# Altium PCB 主机.PcbDoc
Units mil, origin at the board's own origin, x right, y up, seen from the top; angles counter-clockwise.
Board outline 6000 x 4000 mil, 2 copper layers (Top Layer, Bottom Layer); 24 components, 47 nets, 157 pads, 0 vias.
Unrouted connection lines stored in the file: 2.
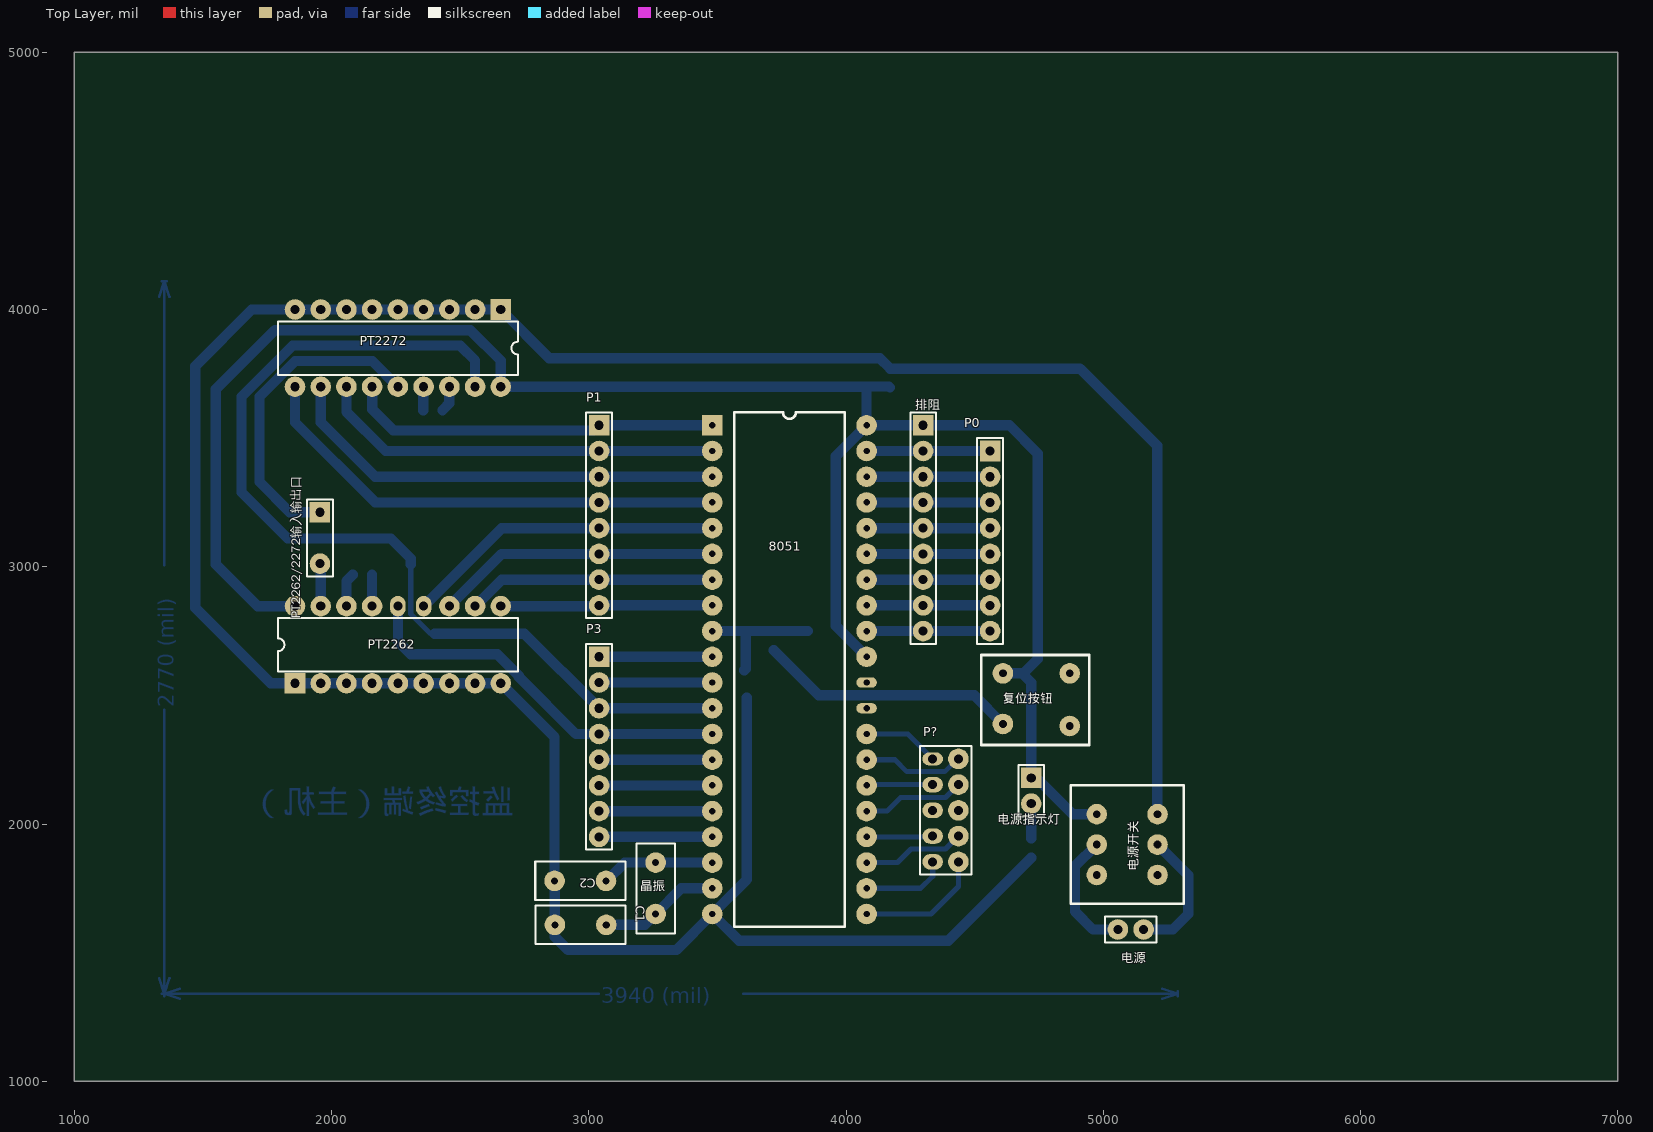
[diagram p0: Top Layer view]
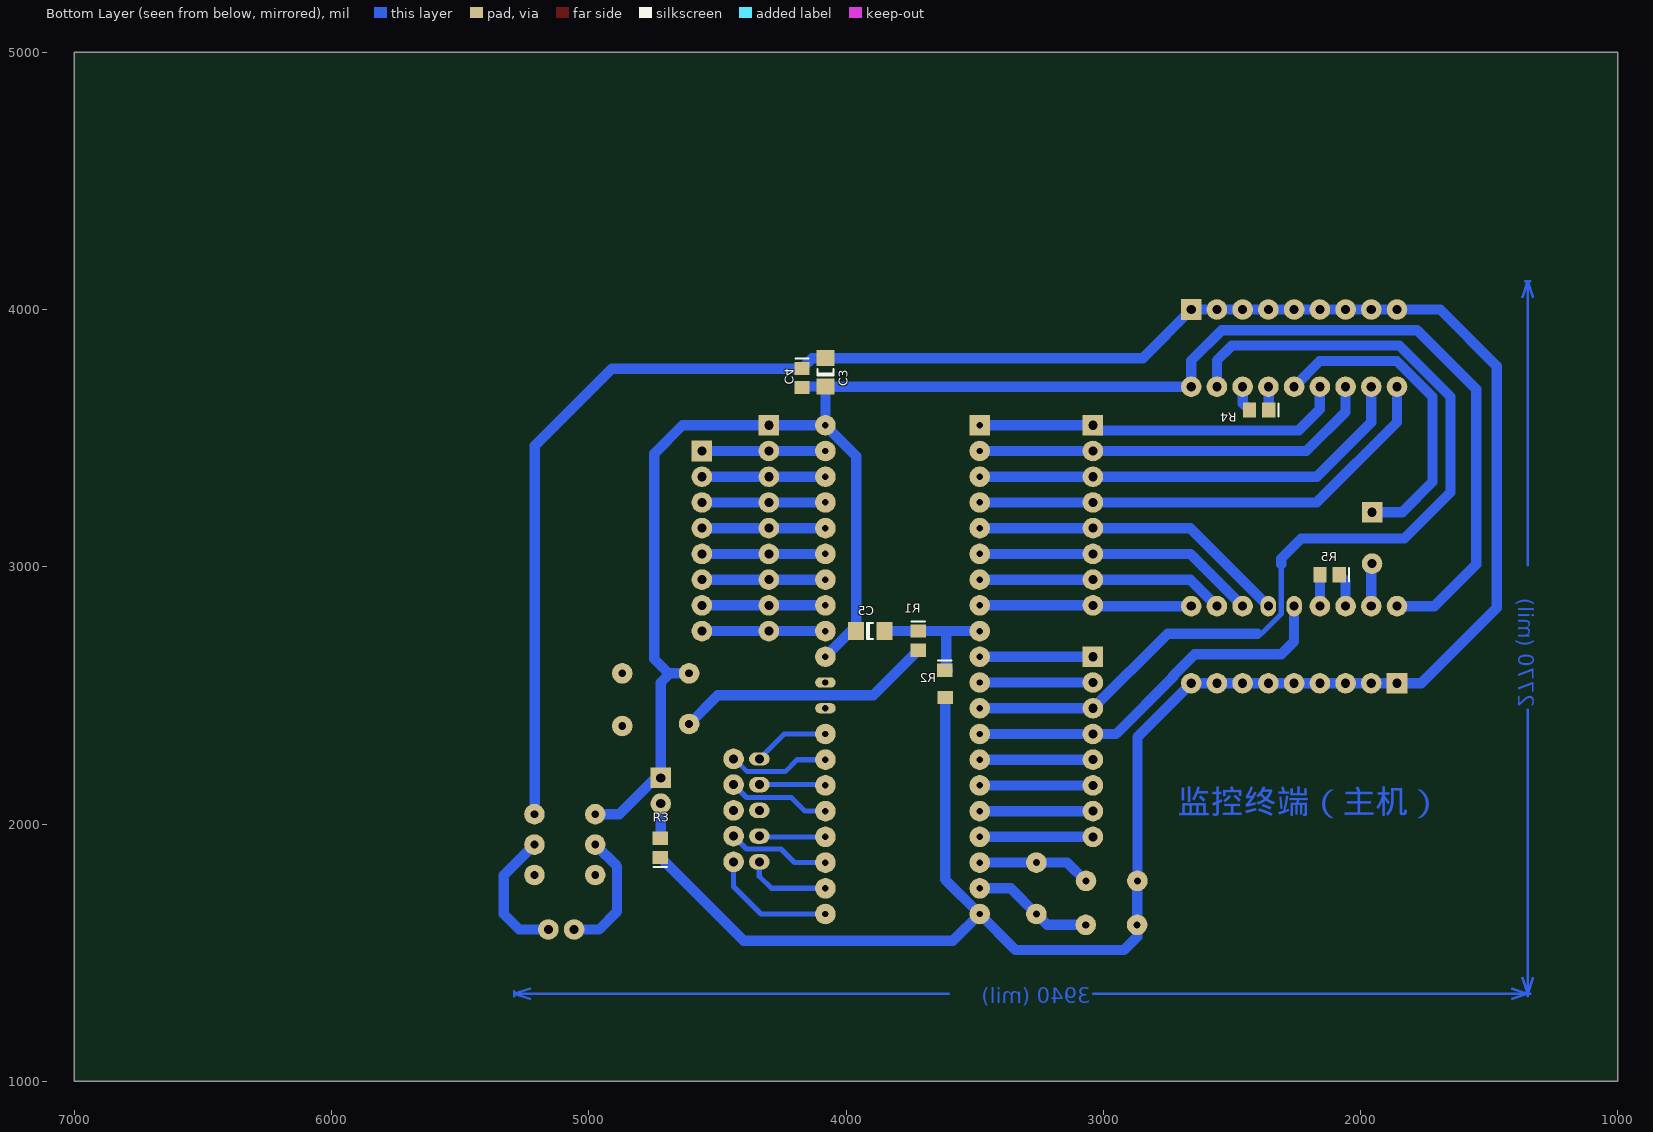
[diagram p1: Bottom Layer view, seen from below]

## Layer stack, top to bottom
Top Layer: signal copper 1.4
Dielectric: dielectric 12.6, FR-4, Dk 4.8
Bottom Layer: signal copper 1.4

## Board outline
1000,1000 7000,1000 7000,5000 1000,5000

## Design rules (kind name [scope] priority, off if disabled: settings)
Clearance [All] p1: gap=10
PolygonConnect [All] p1: connectstyle=Relief reliefconductorwidth=10 reliefentries=4 polygonreliefangle="90 Angle"
RoutingVias [All] p1: holewidth=28 width=50 viastyle="Through Hole" minholewidth=28 minwidth=50 maxholewidth=28 maxwidth=50
SilkToSilkClearance [All] p1 off: silktosilkclearance=10
SilkscreenOverComponentPads [All] p1 off: minsilkscreentomaskgap=10
SolderMaskExpansion [All] p1: expansion=4
TestPointUsage [All] p1: valid=0 allowmultiple=FALSE
Testpoint [All] p1: side=15 testpointundercomponent=TRUE minsize=40 maxsize=100 preferedsize=60 minholesize=0 maxholesize=40 preferedholesize=32 testpointgrid=1 style=1023 order=0123456789
Width [All] p1: maxlimit=50 minlimit=20 preferedwidth=20
22 further rules are at their usual default settings.

## Components (designator, comment, footprint, x,y, rotation, side; value= is the part's Value field where it differs from the comment)
8051 "8051" DIP-40 3480,3550 r0 top locked
C1 "Cap" RAD-0.2 2968,1608 r0 top
C2 "Cap" rad-0.2 2967,1779 r0 top
C3 "Cap Pol1" C1206 4079.88,3756 r90 bottom
C4 "Cap" C0805#1 4171,3734 r270 bottom
C5 "Cap Pol1" C1206 3906,2750 r180 bottom
P0 "Header 8" HDR1X8 4560,3450 r270 top
P1 "Header 8" HDR1X8 3040,3550 r270 top
P3 "Header 8" HDR1X8 3040,2650 r270 top
P? "Header 5X2" HDR2X5 4437,1853 r90 top
PT2262 "2262" DIP-18#1 2258,2697 r0 top
PT2262/2272输入输出口 "" HDR1X3 1955,3212 r270 top
PT2272 "2272" DIP-18#2 2258,3850 r180 top
R1 "Res2" C0805#1 3719,2713 r270 bottom
R2 "Res2" C0805#2 3616,2560 r270 bottom
R3 "Res2" C0805#1 4722,1907 r90 bottom
R4 "Res2" C0805#1 2394,3609 r0 bottom
R5 "Res2" C0805#1 2120,2969 r0 bottom
复位按钮 "按钮" 按钮 4736,2507 r90 top
排阻 "Header 9" HDR1X9 4300,3550 r270 top
晶振 "XTAL" RAD-0.2 3260,1750 r90 top
电源 "传感器接口" HDR1X2#1 5057,1590 r0 top
电源开关 "开关" 开关 5093,1920 r0 top
电源指示灯 "LED0" HDR1X2#2 4720,2179 r270 top

## Footprints (in the part's own frame and the unit in brackets; to place one, negate y for a bottom-side part, rotate by r counter-clockwise, add the part's x,y. Pads: shape width x height; smd on the part's side, far side on the other; paste and mask are expansions set on the pad)
C0805#1 [mm] "Chip Capacitor; Body 2.0 x 1.2 mm (LxW typ)"
  rect 1.3x1.5 smd: 1(-0.95,0) 2(0.95,0)
  silkscreen extent -1.9,-0.65 -1.9,0.65
C0805#2 [mm] "Chip Capacitor; Body 2.0 x 1.2 mm (LxW typ)"
  rect 1.3x1.5 smd: 1(-0.95,0) 2(1.727,0.051)
  silkscreen extent -1.9,-0.65 -1.9,0.65
C1206 [mm] "Chip Capacitor; Body 3.2 x 1.6 mm (LxW typ)"
  rect 1.6x1.8 smd: 1(-1.4,0) 2(1.4,0)
  silkscreen extent -0.3,-0.8 0.3,0.8
DIP-18#1 [mil] "DIP; 18 Leads; Row Spacing 7.62 mm; Pitch 2.54 mm"
  rect 80x80 hole 35.43: 1(-400,-150)
  round 80 hole 35.43: 2(-300,-150) 3(-200,-150) 4(-100,-150) 5(0,-150) 6(100,-150) 7(200,-150) 8(300,-150) 9(400,-150) 10(400,150) 11(300,150) 12(200,150) 15(-100,150) 16(-200,150) 17(-300,150) 18(-400,150)
  oval 60x80 hole 35.43: 13(100,150) 14(0,150)
  silkscreen extent -467,-104 467,104
DIP-18#2 [mil] "DIP; 18 Leads; Row Spacing 7.62 mm; Pitch 2.54 mm"
  rect 80x80 hole 35.43: 1(-400,-150)
  round 80 hole 35.43: 2(-300,-150) 3(-200,-150) 4(-100,-150) 5(0,-150) 6(100,-150) 7(200,-150) 8(300,-150) 9(400,-150) 10(400,150) 11(300,150) 12(200,150) 13(100,150) 14(0,150) 15(-100,150) 16(-200,150) 17(-300,150) 18(-400,150)
  silkscreen extent -467,-104 467,104
DIP-40 [mil]
  rect 80x80 hole 25: 1(0,0)
  round 80 hole 25: 2(0,-100) 3(0,-200) 4(0,-300) 5(0,-400) 6(0,-500) 7(0,-600) 8(0,-700) 9(0,-800) 10(0,-900) 11(0,-1000) 12(0,-1100) 13(0,-1200) 14(0,-1300) 15(0,-1400) 16(0,-1500) 17(0,-1600) 18(0,-1700) 19(0,-1800) 20(0,-1900) 21(600,-1900) 22(600,-1800) 23(600,-1700) 24(600,-1600) 25(600,-1500) 26(600,-1400) 27(600,-1300) 28(600,-1200) 31(600,-900) 32(600,-800) 33(600,-700) 34(600,-600) 35(600,-500) 36(600,-400) 37(600,-300) 38(600,-200) 39(600,-100) 40(600,0)
  oval 80x40 hole 25: 29(600,-1100) 30(600,-1000)
  silkscreen extent 85,-1950 515,50
HDR1X2#1 [mil] "Connector; Header; 2 Position"
  round 80 hole 35.43: 1(0,0) 2(100,0)
  silkscreen extent -50,-50 150,50
HDR1X2#2 [mil] "Connector; Header; 2 Position"
  rect 80x80 hole 35.43: 1(0,0)
  round 80 hole 35.43: 2(100,0)
  silkscreen extent -50,-50 150,50
HDR1X3 [mil] "Connector; Header; 3 Position"
  rect 80x80 hole 35.43: 1(0,0)
  round 80 hole 35.43: 3(200,0)
  silkscreen extent -50,-50 250,50
HDR1X8 [mil] "Connector; Header; 8 Position"
  rect 80x80 hole 35.43: 1(0,0)
  round 80 hole 35.43: 2(100,0) 3(200,0) 4(300,0) 5(400,0) 6(500,0) 7(600,0) 8(700,0)
  silkscreen extent -50,-50 750,50
HDR1X9 [mil] "Connector; Header; 9 Position"
  rect 80x80 hole 35.43: 1(0,0)
  round 80 hole 35.43: 2(100,0) 3(200,0) 4(300,0) 5(400,0) 6(500,0) 7(600,0) 8(700,0) 9(800,0)
  silkscreen extent -50,-50 850,50
HDR2X5 [mil] "Connector; Header; 5x2 Position"
  round 80 hole 35.43: 1(0,0) 3(100,0) 5(200,0) 7(300,0) 9(400,0)
  oval 60x80 hole 35.43: 2(0,100) 4(100,100) 6(200,100) 8(300,100)
  oval 50x80 hole 35.43: 10(400,100)
  silkscreen extent -50,-50 450,150
RAD-0.2 [mil] "Jumper Wire; 2 Leads"
  round 80 hole 27.56: 1(-100,0) 2(100,0)
  silkscreen extent -175,-75 175,75
rad-0.2 [mil] "Jumper Wire; 2 Leads"
  round 80 hole 27.56: 1(-100,0) 2(100,0)
  silkscreen extent -175,-75 175,75
开关 [mil]
  round 80 hole 30: 1(-118.11,118.11) 2(118.11,118.11) 3(-118.11,0) 4(118.11,0) 5(-118.11,-118.11) 6(118.11,-118.11)
  silkscreen extent -220,-230 220,230
按钮 [mil]
  round 80 hole 30: 1(-118.11,125.98) 2(78.74,125.98) 3(-125.98,-133.86) 4(78.74,-133.86)
  silkscreen extent -200,-210 150,210

## Part data
C1 C2 C4: "Capacitor"
C3 C5: "Polarized Capacitor (Radial)"
P0 P1 P3: "Header, 8-Pin"
P?: "Header, 5-Pin, Dual row"
PT2262/2272输入输出口: library part "Header 2", "Header, 2-Pin"
R1 R2 R3 R4 R5: "Resistor"
排阻: "Header, 9-Pin"
晶振: "Crystal Oscillator"
电源指示灯: "Typical INFRARED GaAs LED"

## Nets (pads, with @x,y where several pads share a name; then routed paths per layer and width w, separated by ;. In a path a pad name is that pad's centre, name@x,y a point inside that pad or via, vN(x,y) a via of type N, cw(c..) or ccw(c..) an arc to the next point about the centre after c; other vN are vias at no path point)
GND: 8051.20 C1.1 C2.1 C3.2 C4.1 PT2262.1 PT2262.2 PT2262.3 PT2262.4 PT2262.5 PT2262.6 PT2262.7 PT2262.8 PT2262.9 PT2272.1 PT2272.2 PT2272.3 PT2272.4 PT2272.5 PT2272.6 PT2272.7 PT2272.8 PT2272.9 R2.2 R3.1 电源开关.2 | length 11809.4
  Bottom Layer w40: C2.1 2867,2338 PT2262.9 PT2262.8 PT2262.7 PT2262.6 PT2262.5 PT2262.4 PT2262.3 PT2262.2 PT2262.1 1763,2547 1470,2840 1470,3780 1690,4000 PT2272.9 PT2272.8 PT2272.7 PT2272.6 PT2272.5 PT2272.4 PT2272.3 PT2272.2 PT2272.1 2846.88,3811.12 4000,3811.12 C3.2 4131.28,3811.12 C4.1 4172.4,3770 4910,3770 5210,3470 电源开关.2@5210,2038.11 ; C2.1@2868,1779 C1.1 2868,1562 2920,1510 3340,1510 8051.20 ; R2.2 3614,1784 8051.20 ; R3.1@4720,1868.6 4397.16,1545.76 3584.24,1545.76 8051.20
INT0: 8051.12 P3.3 PT2272.17 | length 3777.2
  Bottom Layer w20: 2308,3010 2308,2816.29 2384.29,2740 2400,2740
  Bottom Layer w40: 2308,3010 2308,3032 2230,3110 1830,3110 1650,3290 1650,3661.71 1848.29,3860 2500,3860 2558,3802 PT2272.17 ; 2400,2740 2750,2740 P3.3 8051.12@3465,2450
KEYPAD_1: 8051.21 P?.1 | length 497.3
  Bottom Layer w20: 8051.21 4330,1650 4437,1757 P?.1
KEYPAD_2: 8051.22 P?.2 | length 332.5
  Bottom Layer w20: 8051.22 4290,1750 4337,1797 P?.2
KEYPAD_3: 8051.23 P?.3 | length 399.7
  Bottom Layer w20: 8051.23 4200,1850 4252.53,1902.53 ; 4252.53,1903 4386.53,1903 ; 4386.53,1902.53 P?.3
KEYPAD_4: 8051.24 P?.4 | length 258.2
  Bottom Layer w20: 8051.24 4334,1950 P?.4
KEYPAD_5: 8051.25 P?.7 | length 396.7
  Bottom Layer w20: 8051.25@4083,2050 4160,2050 4213,2103 4387,2103 P?.7
KEYPAD_6: 8051.26 P?.8 | length 258.2
  Bottom Layer w20: 8051.26@4083,2153 P?.8
  Bottom Layer w40: 8051.26 8051.26@4083,2153
KEYPAD_7: 8051.27 P?.9 | length 396.8
  Bottom Layer w20: 8051.27 4190,2250 4236.53,2203.47 4383.47,2203.47 4433,2253 P?.9
KEYPAD_8: 8051.28 P?.10 | length 297.2
  Bottom Layer w20: 8051.28 4240,2350 P?.10
LCD_EA: 8051.14 P3.5 | length 440
  Bottom Layer w40: P3.5 8051.14
LCD_RS: 8051.16 P3.7 | length 440
  Bottom Layer w40: P3.7 8051.16
LCD_RW: 8051.15 P3.6 | length 440
  Bottom Layer w40: P3.6 8051.15
Net8051_1: 8051.1 P1.1 PT2272.13 | length 1452.2
  Bottom Layer w40: PT2272.13 2158,3612 2240,3530 3020,3530 P1.1 8051.1
Net8051_2: 8051.2 P1.2 PT2272.12 | length 1583
  Bottom Layer w40: PT2272.12 2058,3602 2210,3450 P1.2 8051.2
Net8051_3: 8051.3 P1.3 PT2272.11 | length 1747.8
  Bottom Layer w40: PT2272.11 1958,3562 2170,3350 P1.3 8051.3
Net8051_4: 8051.4 P1.4 PT2272.10 | length 1897.9
  Bottom Layer w40: 1858,3591.29 PT2272.10 ; 1858,3600 1858,3562 2170,3250 P1.4 8051.4
Net8051_5: 8051.5 P1.5 PT2262.13 | length 1247.5
  Bottom Layer w40: PT2262.13 2661,3150 P1.5 8051.5
Net8051_6: 8051.6 P1.6 PT2262.12 | length 1106.1
  Bottom Layer w40: PT2262.12 2661,3050 P1.6 8051.6
Net8051_7: 8051.7 P1.7 PT2262.11 | length 964.7
  Bottom Layer w40: PT2262.11 2661,2950 P1.7 8051.7
Net8051_8: 8051.8 P1.8 PT2262.10 | length 823.2
  Bottom Layer w40: PT2262.10 3037,2847 P1.8 8051.8
Net8051_10: 8051.10 P3.1 | length 440
  Bottom Layer w40: P3.1 8051.10
Net8051_11: 8051.11 P3.2 | length 460
  Bottom Layer w40: P3.2@3020,2550 P3.2 8051.11
Net8051_17: 8051.17 P3.8 | length 440
  Bottom Layer w40: P3.8 8051.17
Net8051_18: 8051.18 C2.2 晶振.2 | length 448.4
  Bottom Layer w40: C2.2@3061,1779 3069,1779 3140,1850 晶振.2 8051.18
Net8051_19: 8051.19 C1.2 晶振.1 | length 470.8
  Bottom Layer w40: C1.2 3218,1608 晶振.1 3360,1750 8051.19
Net8051_32: 8051.32 P0.8 排阻.9 | length 480
  Bottom Layer w40: 8051.32 排阻.9 P0.8
Net8051_33: 8051.33 P0.7 排阻.8 | length 480
  Bottom Layer w40: 8051.33 排阻.8 P0.7
Net8051_34: 8051.34 P0.6 排阻.7 | length 480
  Bottom Layer w40: 8051.34 排阻.7 P0.6
Net8051_35: 8051.35 P0.5 排阻.6 | length 480
  Bottom Layer w40: 8051.35 排阻.6 P0.5
Net8051_36: 8051.36 P0.4 排阻.5 | length 480
  Bottom Layer w40: 8051.36 排阻.5 P0.4
Net8051_37: 8051.37 P0.3 排阻.4 | length 480
  Bottom Layer w40: 8051.37 排阻.4 P0.3
Net8051_38: 8051.38 P0.2 排阻.3 | length 480
  Bottom Layer w40: 8051.38 排阻.3 P0.2
Net8051_39: 8051.39 P0.1 排阻.2 | length 480
  Bottom Layer w40: 8051.39 排阻.2 P0.1
NetPT2262_15: PT2262.15 R5.2 | length 122.2
  Bottom Layer w40: R5.2 2157.4,2847.6 PT2262.15
NetPT2262_16: PT2262.16 R5.1 | length 132.2
  Bottom Layer w40: PT2262.16 2058,2944.4 R5.1
NetPT2272_15: PT2272.15 R4.1 | length 91.6
  Bottom Layer w40: R4.1 2356.6,3698.6 PT2272.15
NetPT2272_16: PT2272.16 R4.2 | length 102
  Bottom Layer w40: R4.2 2458,3635.6 PT2272.16
NetR1_2: R1.2 复位按钮.1 复位按钮.3 | length 1009.8
  Bottom Layer w40: R1.2 3894.6,2500 4498.91,2500 复位按钮.1
NetR3_2: R3.2 电源指示灯.2 | length 135.6
  Bottom Layer w40: R3.2@4720,1943.4 电源指示灯.2
Net电源_1: 电源.1 电源开关.3 | length 491.2
  Bottom Layer w40: 电源开关.3 4890,1835.11 4890,1660 4960,1590 电源.1
Net电源_2: 电源.2 电源开关.4 | length 517.1
  Bottom Layer w40: 电源.2 5270,1590 5330,1650 5330,1801.11 电源开关.4
PT2262_DOUT: PT2262.17 PT2262/2272输入输出口.3 | length 166.2
  Bottom Layer w40: PT2262/2272输入输出口.3 1958,3009 PT2262.17
PT2262_TE: 8051.13 P3.4 PT2262.14 | length 1510.5
  Bottom Layer w40: PT2262.14 2258,2710 2308,2660 2643.99,2660 2728,2575.99 2728,2572 2950,2350 P3.4 8051.13
PT2272_DIN: PT2262/2272输入输出口.1 PT2272.14 | length 1260.9
  Bottom Layer w40: PT2262/2272输入输出口.1@1964,3212 1838,3212 1720,3330 1720,3660.99 1859.01,3800 2158,3800 PT2272.14
RST: 8051.9 C5.2 R1.1 R2.1 | length 526
  Bottom Layer w40: 8051.9 3610,2750 ; R2.1@3604,2597.4 3610,2603.4 3610,2750 ; C5.2 3610,2750
VCC: 8051.31 8051.40 C3.1 C4.2 C5.1 PT2262.18 PT2272.18 复位按钮.2 复位按钮.4 排阻.1 电源开关.1 电源指示灯.1 | length 7524.4
  Bottom Layer w40: PT2262.18 1713,2847 1550,3010 1550,3690 1780,3920 2540,3920 2658,3802 PT2272.18 ; PT2272.18@2690,3700 4076.6,3700 C3.1@4078.6,3698 ; C3.1 4166.72,3700.88 C4.2 ; 8051.31 3960,2770 3960,3430 8051.40 ; C3.1@4080,3696.6 8051.40 ; 电源指示灯.1 4720,2550 4684.26,2585.74 复位按钮.2 4690,2585.74 4745.74,2641.48 4745.74,3440 4635.74,3550 排阻.1 8051.40 ; 电源指示灯.1@4720,2200 4881.89,2038.11 电源开关.1
pads on no net: 8051.29 8051.30 P?.5 P?.6 电源开关.5 电源开关.6
copper on no net: | length 6172.3
  Bottom Layer w10: 1330,1400 1350,1340 ; 1330,4050 1350,4110 ; 1340,1340 1360,1340 ; 1340,4110 1360,4110 ; 1350,1330 1350,1350 ; 1350,2444.09 1350,1340 ; 1350,3005.91 1350,4110 ; 1370,1400 1350,1340 ; 1370,4050 1350,4110 ; 1410,1320 1350,1340 ; 1410,1360 1350,1340 ; 3039.09,1340 1350,1340 ; 3600.91,1340 5290,1340 ; 5230,1320 5290,1340 ; 5230,1360 5290,1340 ; 5290,1330 5290,1350

## Other copper
Bottom Layer:
  text "2770 (mil)" at 1385.99,2454.09 h60 r90
  text "监控终端（主机）" at 2710,2010 h160
  text "3940 (mil)" at 3049.09,1304.01 h60